# KiCad board FC_V5d_Production.kicad_pcb (continued)
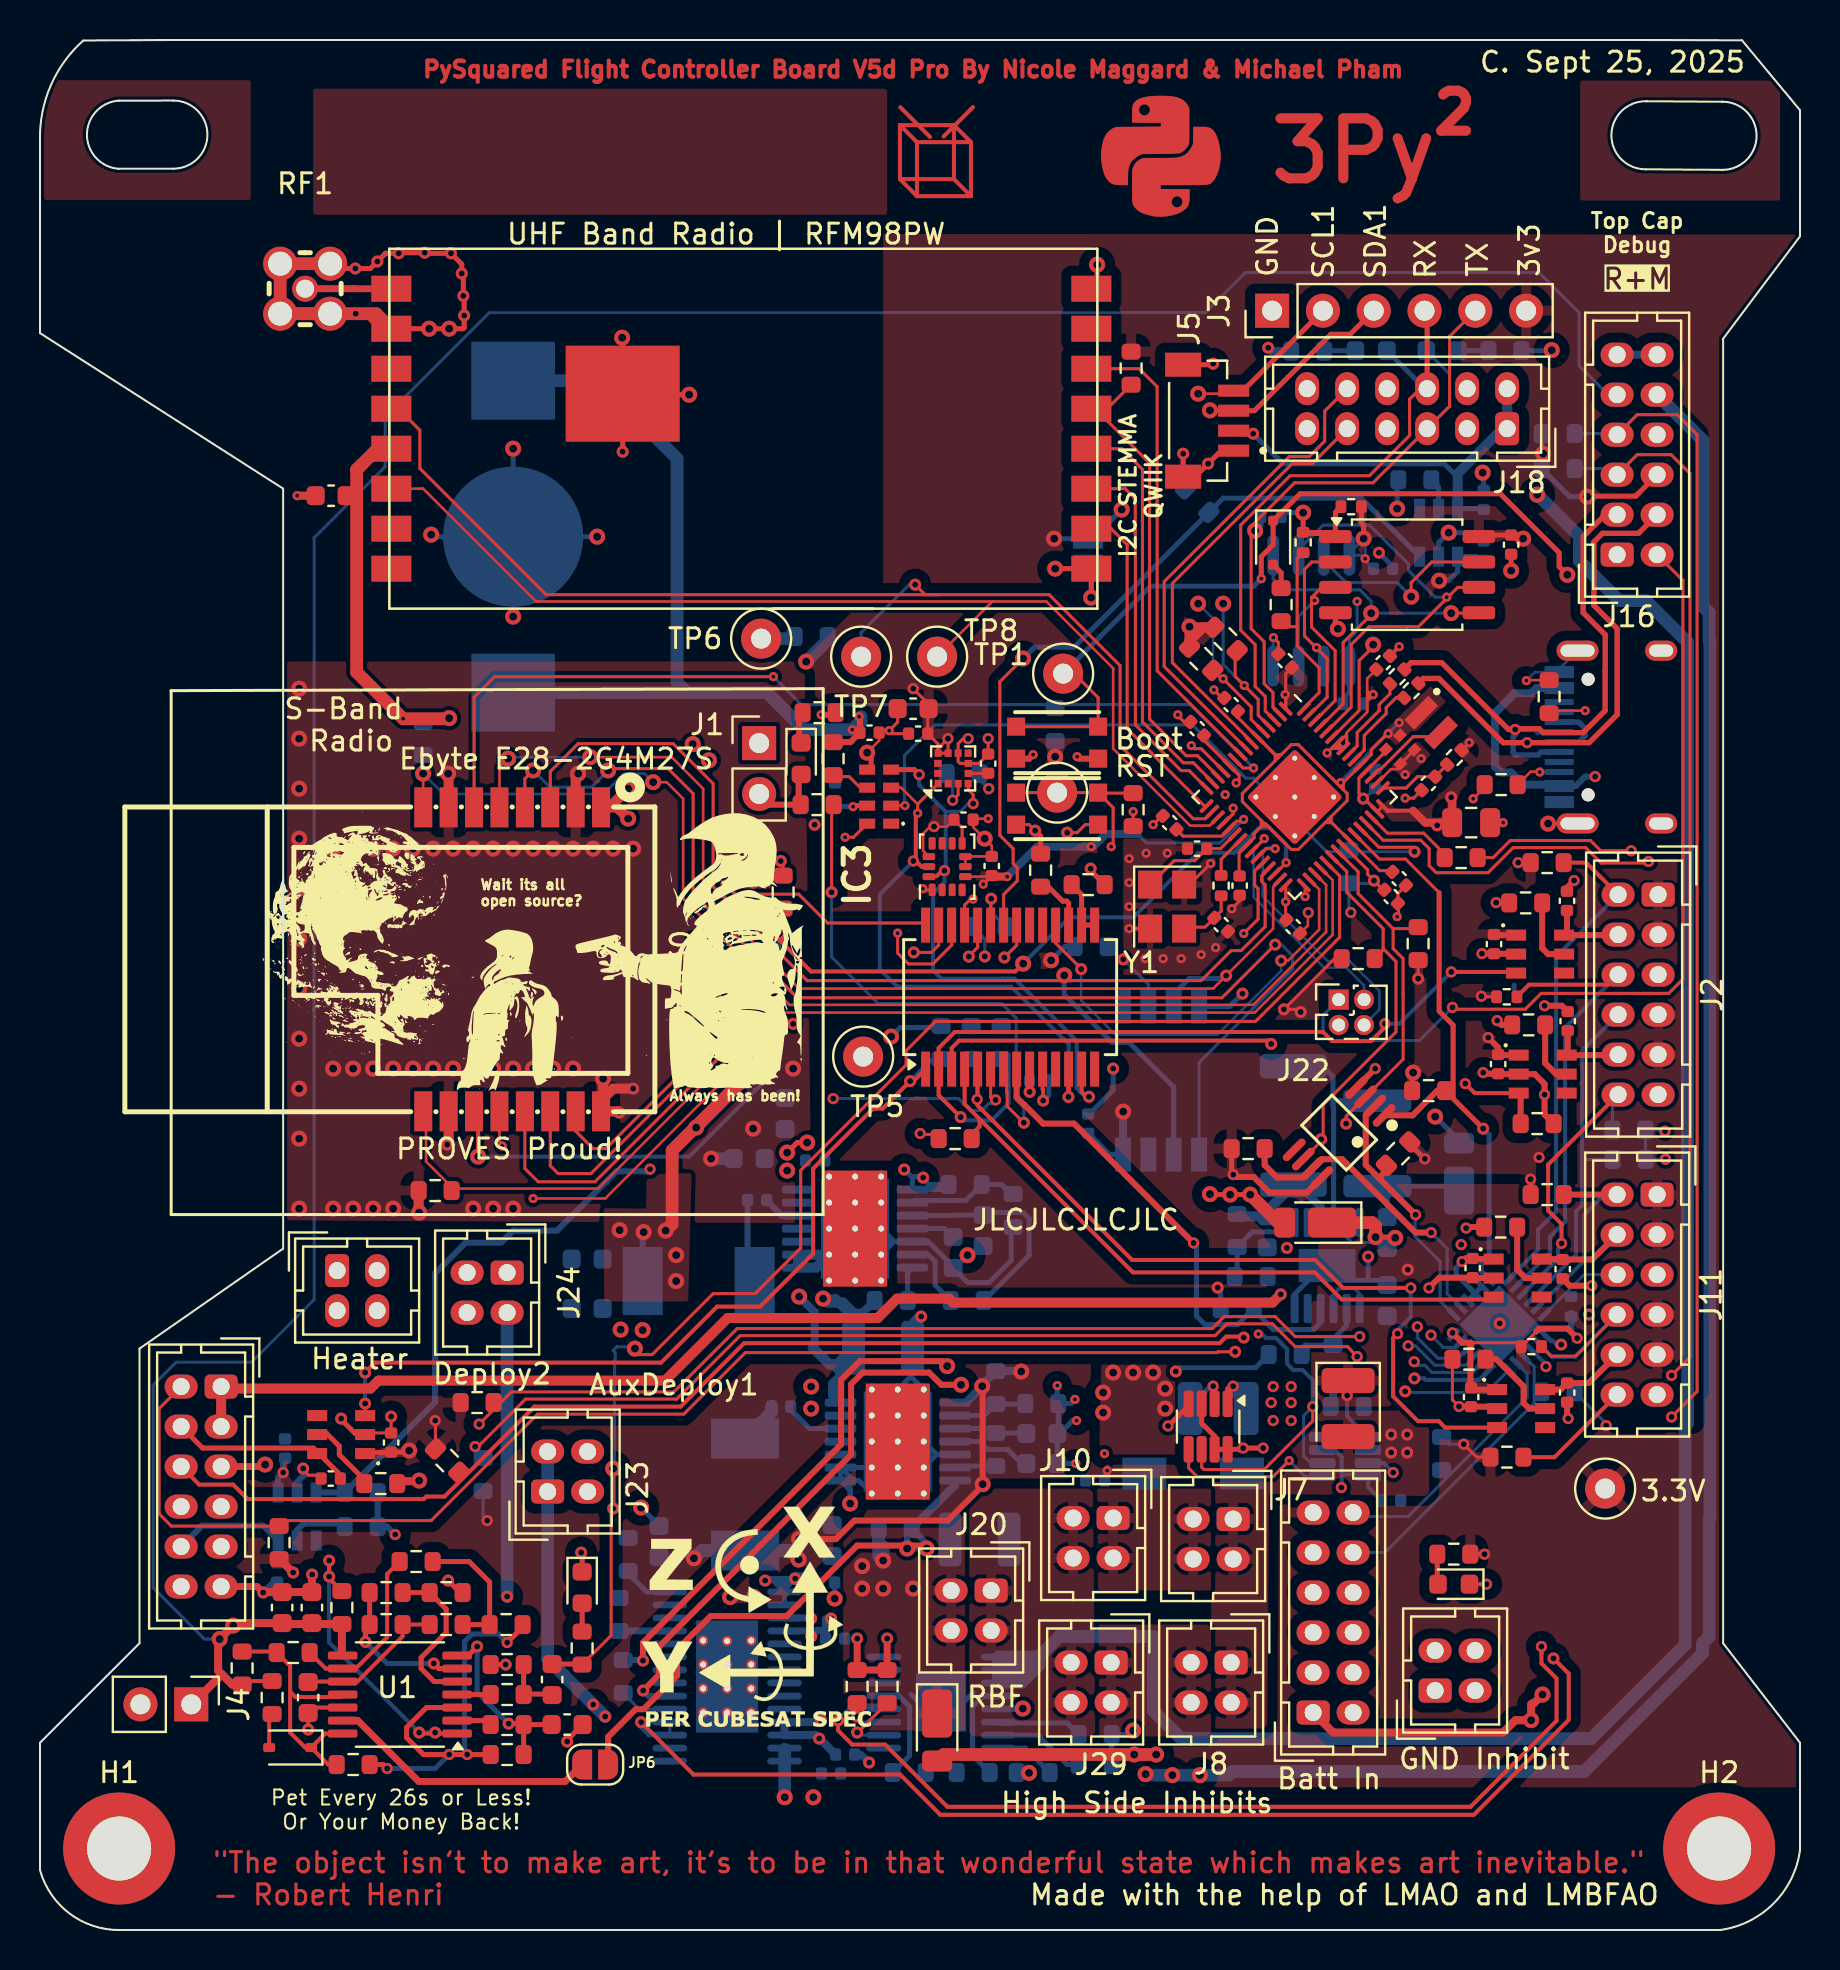
[diagram p0: board, top side]
## Routing (per net, layer and track width the routed paths; a pad name or vN(x,y) marks a point on that pad's centre or on a via; arc(x,y) is an arc through that point) (continued)
/Power Systems/3v3SW: length 2.1
  Bottom w0.635: L4.2 36.58,25.89 C27.1
/Power Systems/5vSW: length 4.2
  Bottom w0.3: C5.2 35.38,32.8 L5.1
/Power Systems/VBATT_SENSE: length 12.9
  Top w0.25: v1(58.66,27.2) 58.73,27.12 U16.2 ; v2(60.51,36.77) v2(59.51,36.77) 58.52,36.77 v2(58.5,36.8)
  Top w0.635: v2(60.51,36.77) 61.91,35.37 D12.2
  Bottom w0.25: v1(58.66,27.2) 58.53,27.2 57.51,26.17 R109.2 ; 54.71,27.82 v2(54.66,27.87)
  Bottom w0.4: 62.92,37.27 64.03,36.16 IC6.9
  Bottom w0.5: R75.1 61.37,35.97 C42.1 59.97,35.68
  vias: v2(53.16,26.87) v2(53.16,25.87) v2(53.66,27.87) v2(55.66,27.87) v2(56.26,27.07) v2(56.26,26.07)
GND: length 281.4
  Top w0.127: 67.89,58.05 67.55,58.05 66.86,57.36 ; 46.28,53.68 C35.2 47.59,54.22 v2(47.23,54.57) 46.66,55.15 C32.2 46.71,55.57 v4(47.41,55.57) ; 72.23,57.14 v4(71.66,56.57) ; 69.16,58.57 v4(69.06,58.57) ; v2(41.36,58.87) 41.96,59.47 C26.2 42.06,59.97 v4(42.46,59.97) 42.54,60.05 ; C78.2 63.39,50.23 63.39,50.85 v1(63.41,50.87) ; U7.6 U7.7 ; R26.1 74.34,62.5 v4(74.32,62.48)
  Top w0.152: v4(68.26,56.6) 68.68,56.6 C68.2 ; v4(61.67,64.63) 61.92,64.38 C73.2 ; R49.1 70.62,26.51 v1(70.95,26.18) ; v1(46.41,59.57) 46.16,59.57 45.91,59.32 U15.8 45.91,58.43 46,58.34 U15.6 46.94,58.34 C31.2 v1(47.41,59.57) ; SW2.B' 49.46,55.27 v3(49.76,54.97) ; 67.93,51.27 67.93,50.74 v4(67.86,50.67) ; v3(13.16,23.07) 13.16,23.01 13.42,22.74 14.06,22.74 ; 44.93,39.78 44.05,39.78 v1(44.01,39.83) ; v3(17.56,25.67) C50.2 16.28,24.85 ; C67.2 67.9,51.83 C77.2 ; J12.S1 75.42,55.33 v2(75.41,55.32) ; 59.1,61.61 v4(58.7,62.01) ; v4(59.59,51.07) 59.98,51.46 C70.2 ; v3(51.36,54.87) 51.86,54.87 52.26,55.27 SW2.B ; 56.1,55.71 v4(55.66,55.27) ; C43.1 42.88,60.4 v4(42.46,59.97) 42.61,59.82 C34.2 ; C65.2 C66.2 ; Y1.2 v4(54.46,50.07) ; C72.2 57.2,60.41 56.89,60.72 v4(56.89,60.77) ; 57.73,52.35 57.73,52.54 v4(58.53,53.34)
  Top w0.2: v3(13.41,10.02) C24.1 ; v3(50.16,41.47) 50.16,42.02 50.13,42.05 U9.10 ; C74.2 v4(67.96,64.17) ; 13.68,11.12 U1.12 ; v1(72.33,17.29) D3.1
  Top w0.25: v3(52.53,53.07) 52.53,52.97 R24.1 ; 16.99,80.07 16.24,80.82 v3(15.79,80.82) RF1.4 ; v3(15.77,83.08) 16.52,83.08 v3(16.87,83.43) 17.28,83.84 v3(17.94,83.84) 17.97,83.87 v3(19.24,83.87) 19.27,83.84 v3(20.55,83.84) 21.09,83.3 v3(21.09,82.83) 21.17,82.75 v3(21.17,81.71) 21.21,81.67 v3(21.21,80.73) 21.21,80.12 21.16,80.07 v2(20.46,80.07) v2(19.46,80.07) 17.57,80.07 ; v3(15.77,83.08) 15.76,83.09 ; v3(15.77,83.08) 14.75,83.08 RF1.3 ; J5.1 59.06,73.97 v3(58.41,73.32) 57.76,72.67 J5.S1 v3(57.16,73.82) ; 21.01,16.87 v3(20.41,17.47) ; v2(64.89,65.07) 64.89,65.26 64.77,65.39 U11.4 ; v2(52.86,83.27) 52.86,82.36 ; C21.1 26.36,9.5 v3(26.36,9.42) ; 29.09,76.77 v2(32.46,76.77) ; R52.1 50.03,54.7 v3(49.76,54.97) ; v2(41.36,58.87) 41.56,58.67 41.56,58.02 ; C2.2 v2(73.56,67.97) ; 16.26,24.83 15.76,24.83 15.06,25.53 v3(15.06,25.57) ; 66.38,33.65 v3(66.41,33.67) ; R22.2 v3(23.28,13.27) ; v3(58.66,78.32) 58.61,78.27 J5.S2 ; v1(61.16,24.1) v1(60.16,24.1) 60.03,23.97 60.03,24.04 U16.7 58.73,24.69 58.08,25.34 U16.3 ; D6.1 27.11,18.82 v3(27.06,18.87) ; v2(29.11,79.62) 29.13,79.6 U4.17 v3(29.13,73.92)
  Top w0.3: R47.1 71.36,35.15 v1(71.31,35.1) ; U19.2 73.79,48.82 C38.2 72.69,48.82 v1(72.1,48.82) ; v1(72.16,42.87) 72.21,42.82 C47.2 72.93,42.8 U21.2 74.73,42.8 75.23,42.31 v1(75.23,41.77) 75.23,40.78 R68.1 ; v1(76.41,25.57) 76.36,25.62 C55.2 ; v1(66.76,43.07) 65.82,42.14 U14.4 ; v1(76.7,52.48) 76.35,52.12 C44.2 ; v1(72.81,51.37) 73.38,51.37 73.39,51.36 R46.1 ; 76.13,32.57 76.48,32.22 v1(77.59,32.22) ; v4(49.66,58.77) 49.46,58.57 SW1.B' ; U24.2 72.76,26.17 C53.2 71.55,26.18 v1(70.95,26.18) ; SW1.B 51.96,58.57 v4(51.86,58.67) ; v1(72.86,45.47) 73.07,45.26 R51.1 ; C48.2 76.1,46.22 v1(75.23,46.22) ; v4(39.06,60.77) 39.68,60.77 R12.2 ; U22.2 71.65,32.6 C49.2 69.96,32.62 v1(69.45,32.11)
  Top w0.342: v3(42.36,14.57) 42.36,13 40.86,13 v3(40.86,14.57) ; J17.11 10.86,17.17 v3(11.16,16.87) ; v2(11.26,23.27) 11.16,23.17 J17.5
  Top w0.4: v4(73.16,55.37) C75.2 ; 17.86,22.44 18.92,22.44 v2(18.96,22.47) ; v3(11.16,16.87) 11.18,16.9 C23.1 C22.1 13.59,17.76 v3(13.61,17.77) ; C14.1 v4(12.86,71.72)
  Top w0.5: v2(18.96,35.87) 18.93,35.9 R95.2 ; v2(26.91,57.82) 26.78,57.7 U30.2 ; v2(20.41,57.82) 20.43,57.8 U30.7 ; U30.10 20.43,39.35 v3(20.36,39.27) ; 28.05,41.47 28.66,42.07 v3(29.66,42.07) ; v3(28.96,40.87) 28.89,40.94 U30.16 ; v2(28.16,42.57) 28.16,41.04
  Top w0.635: U4.2 16.82,80.82 12.96,80.82 ; 12.96,80.82 RF1.1 RF1.2 RF1.3 ; 12.96,80.82 RF1.4
  In1.Cu w0.152: U18.61 59.38,56.66 v4(59.26,56.77)
  In1.Cu w0.4: U18.61 62.66,56.73 59.3,56.73 v4(59.26,56.77) ; U18.61 61.37,55.68 59.02,53.34 v4(58.53,53.34)
  Bottom w0.127: 75.96,63.06 J12.S1 ; J12.A1 74.75,62.9 v4(74.32,62.48)
  Bottom w0.152: 61.66,63.6 U5.4 61.66,64.62 v4(61.67,64.63)
  Bottom w0.2: v1(67.66,22.87) 67.18,23.35 66.39,23.35 ; 73.31,30.27 U12.9 75.27,28.32 75.27,28.2 v1(75.3,28.17)
  Bottom w0.25: BT1.3 19.66,69.67 v2(19.56,69.77) ; BT1.3 v2(27.86,69.67) ; BT1.3 v2(23.66,65.67) ; BT1.3 v2(23.66,74.07) ; v2(39.73,16.57) 39.74,16.58 C58.2 ; C15.1 30.96,20.22 v2(30.06,21.12) ; U10.5 44.84,23.77 ; 44.84,23.77 U10.15 ; 44.84,23.77 U10.15 ; U10.8 40.94,22.47 U10.15 ; U10.8 U10.9 ; U10.8 40.51,21.99 v2(40.51,21.33) 40.51,22.64 U10.9 ; v2(49.45,7.86) 49.43,7.87 R55.2 ; U10.9 U10.15 ; v3(44.06,30.67) 43.81,30.67 43.63,30.5 C19.2 ; v3(60.12,46.83) 59.47,46.17 U2.4 ; U13.5 41.41,34.42 ; U13.5 42.71,34.42 ; U13.5 44.41,34.42 45.66,33.17 ; 48.56,35.15 48.56,33.47 47.46,32.37 46.38,32.37 C9.1 ; U10.15 43.56,27.65 43.56,29.12 43.56,27.7 U10.15 ; C10.2 67.64,68.18 v3(66.95,68.87) ; IC6.6 62.73,31.8 64.16,33.22 ; v4(51.75,26.53) 51.54,26.32 R40.1 50.91,24.87 ; v2(54.66,9.97) 54.46,9.77 R85.1 R82.1 ; 42.71,34.42 U13.15 ; 42.71,34.42 U13.15 ; 53.24,23.8 v4(53.22,23.82) ; v4(50.86,27.22) 50.86,26.37 ; v2(72.13,72.87) 72.18,72.82 C80.2 ; C79.2 71.76,69.87 v2(70.43,69.87) 69.93,69.37 U29.2 ; v4(51.79,23.32) C36.2 C37.2 ; C39.2 50.44,41.74 50.17,41.47 v3(50.16,41.47) ; R79.1 57.27,72.96 57.16,73.07 v3(57.16,73.82) ; 73.71,47.07 73.71,47.25 ; R4.2 75.56,78.97 v2(75.58,79) ; v3(66.41,33.67) 66.41,32.53 66.36,32.48 ; v3(53.66,43.07) 53.66,41.99 52.47,40.8 C28.2 ; 70.96,39.47 v2(69.76,40.67) 69.9,40.82 ; v2(67.86,71.07) 67.86,72.46 ; 45.38,45.12 43.01,45.12 v2(42.56,44.67) ; IC6.13 65.1,32.48 66.36,32.48 ; v4(51.83,25.47) 51.63,25.47 50.98,24.82 ; 66.36,32.48 67.13,32.48 C40.2 ; R69.1 60.78,28.12 56.98,28.12 v3(56.79,27.93) ; 45.73,33.1 v2(46.37,33.74)
  Bottom w0.3: v3(11.16,16.87) 11.68,17.39 C60.2 ; v3(13.16,23.07) 13.18,23.05 13.18,22.73 12.86,22.4 U27.2 ; v1(17.76,19.77) 17.36,20.17 R86.1 R87.1
  Bottom w0.342: v3(41.46,8.37) 41.06,8.77 C56.2
  Bottom w0.4: v3(61.41,79.12) 61.58,78.95 R3.2 ; J16.11 J16.12
  Bottom w0.5: U13.15 38.81,33.12 U13.8 U13.9 U13.15
  Bottom w0.635: C3.2 v2(33.56,38.57)
  vias: v2(12.96,62.07) v2(12.96,59.57) v2(12.96,57.07) v2(12.96,54.57) v2(12.96,52.07) v2(12.96,49.57) v2(12.96,47.07) v2(12.96,44.57) v2(12.96,42.07) v2(12.96,39.57) v2(12.96,36.07) v2(14.66,54.07) v2(14.66,43.07) v2(14.66,36.07) v2(15.66,54.07) v2(15.66,43.07) v2(15.66,36.07) v2(16.66,54.07) v2(16.66,43.07) v2(16.66,36.07) v2(17.66,54.07) v2(17.66,43.07) v2(17.66,36.07) v2(18.66,54.07) v2(18.66,43.07) v2(19.66,54.07) v2(19.66,43.07) v2(20.66,54.07) v2(20.66,43.07) v2(21.66,54.07) v2(21.66,43.07) v2(21.66,36.07) v2(22.66,54.07) v2(22.66,43.07) v2(22.66,36.07) v2(23.66,54.07) v2(23.66,43.07) v2(23.66,36.07) v2(24.66,54.07) v2(24.66,43.07) v2(25.66,54.07) v2(25.66,43.07) v2(26.66,54.07) v2(26.66,43.07) v2(27.66,54.07) v2(28.66,54.07) v2(29.66,54.07) v2(35.66,40.07) v2(37.66,43.07) v3(35.66,54.97) v3(35.66,53.57) v3(35.66,52.37) v3(38.73,55.27) v3(72.99,30.33) v3(77.46,30.77) v4(54.46,53.57) v4(54.46,52.37) v4(54.46,51.17) v4(55.26,48.57) v4(55.31,53.84) v4(56.16,48.57) v4(56.36,53.85) v4(57.06,48.57) v4(58.06,48.77) v4(58.78,49.12) v4(68.26,57.77)
VBUS: length 98.3
  Top w0.635: D15.2 45.18,8.77 v2(55.81,8.77)
  In2.Cu w0.635: v2(54.71,8.77) v2(55.81,8.77) 73.06,8.77 73.64,9.36 73.64,13.87 75.44,15.67 75.46,15.67 82.54,22.75 82.54,56.47 81.34,57.67 v1(77.76,57.67)
  Bottom w0.3: J12.A9 76.79,57.2 77.26,57.67 v1(77.76,57.67)
  Bottom w0.4: J12.A4 74.84,62.1 74.58,61.85 73.73,61.85 72.76,60.87 72.76,58.17 73.05,57.88 73.55,57.88 74.16,57.27 75.89,57.27
VBUSP: length 103.6
  Top w0.25: v2(38.36,39.37) 37.86,39.37 v2(37.36,38.87) ; R30.1 v1(20.46,8.77) 19.17,8.77 18.33,9.62 18.33,10.13 19.32,11.12 U1.3 ; v1(23.36,14.37) 24.13,15.15 R16.1 ; R36.2 17.16,8.27 v1(17.36,8.07)
  In2.Cu w0.4: 37.96,31.67 38.05,31.57 v2(39.16,31.57)
  In2.Cu w0.5: 40.91,19.32 40.46,19.77 40.46,20.07 39.66,20.87 39.66,29.87 ; 40.91,19.32 40.96,19.27 40.96,18.87 41.11,18.72 v2(41.11,18.2) 41.68,18.77 41.86,18.77 v2(42.16,18.47) ; 40.91,19.32 40.96,19.37 ; 39.66,29.87 39.96,30.17 39.96,30.77 v2(39.16,31.57) ; 39.66,29.87 39.66,29.97 37.96,31.67 v2(37.96,31.67) 37.95,31.67 37.36,32.27 v2(37.36,38.87)
  In2.Cu w0.635: J20.4 42.76,12.17 42.76,8.52 41.8,7.56 36.08,7.56 35.96,7.67 22.46,7.67 v1(21.36,8.77)
  Bottom w0.25: 43.96,11.37 43.56,11.77 ; v1(23.36,14.37) 22.93,14.8 21.6,14.8 21.23,14.43 21.23,8.9 v1(21.36,8.77) v1(20.46,8.77) 19.76,8.07 v1(17.36,8.07) ; 46.16,11.37 46.66,11.87
  Bottom w0.4: v2(39.16,31.57) 39.76,31.57 40.46,30.87 41.13,30.87 R125.1 ; v2(37.96,31.67) 38.74,30.89 38.74,29.23
  Bottom w0.5: 40.03,27.68 39.66,27.31 39.66,26.74 U10.14 ; 40.03,27.68 40.03,27.92 39.66,28.29 ; 40.03,27.68 40.66,28.31 40.66,30.67 39.76,31.57 ; 38.63,29.12 39.47,28.29 39.66,28.29 ; 39.66,28.29 39.85,28.29 C19.1 40.68,30.85 40.16,31.37 39.36,31.37 v2(39.16,31.57)
  Bottom w0.635: v2(42.16,18.47) 42.16,19.15 41.93,19.37 ; 41.93,19.37 R124.1 ; 41.93,19.37 41.93,18.7
  vias: v2(37.36,37.97) v2(38.56,27.17) v2(38.56,26.07) v2(41.11,17.07) v2(42.16,17.07) v2(43.66,17.07)
/Power Systems/Load Switches/Deploy1_EN: length 112.2
  Top w0.152: R104.1 72.66,53.62 73.51,54.48 77.52,54.48 78.03,53.97 v1(79.56,53.97)
  Top w0.2: v3(30.06,10.39) 32.68,7.77 43.01,7.77 45.02,5.76 71.69,5.76 76.44,10.5 76.44,12.82 v3(75.67,13.58)
  In1.Cu w0.152: v1(79.56,53.97) 79.89,53.97 79.91,53.99 82.14,53.99 82.75,53.38 82.75,21.17 75.67,14.09 v3(75.67,13.58)
  In2.Cu w0.152: v3(75.67,13.58) 75.81,13.71
  Bottom w0.152: U6.4 U6.3
  Bottom w0.2: 31.48,10.39 v3(30.06,10.39) 30.06,10.12 30.44,9.74 U6.3
/Power Systems/Load Switches/Deploy2_EN: length 52.9
  Top w0.3: v3(30.16,11.97) 30.96,12.77 30.96,14.17 40.56,23.77 40.56,27.3 41.14,27.87 44.46,27.87 45.07,27.26 v2(46.05,27.26)
  In2.Cu w0.152: v3(47.24,48.68) 47.24,48.69 46.68,49.25 46.2,49.25 45.1,48.15 45.1,38.83 45.51,38.42 45.51,33.37 46.05,32.83 v2(46.05,27.26)
  Bottom w0.152: v3(47.24,48.68) 47.24,49.57 R103.1
  Bottom w0.3: U6.6 30.44,11.69 v3(30.16,11.97)
/Power Systems/Load Switches/Heater_EN: length 2.7
  Bottom w0.152: R100.1 29.96,11.04 U6.5
/Power Systems/Load Switches/ILIM1: length 5.2
  Bottom w0.25: U25.5 42.94,11.7 43.48,11.17 43.48,8.72 R84.2
/Power Systems/Load Switches/ILIM2: length 5.2
  Bottom w0.25: R83.2 46.63,8.72 46.63,11.17 47.17,11.7 U25.12
/Power Systems/V_SYS: length 3.1
  Top w0.4: 67.63,24.7 v3(67.56,24.77)
  Bottom w0.152: IC6.1 65.98,31.82 65.72,32.07 64.96,32.07 64.68,31.8 IC6.3
  vias: v3(67.56,23.87) v3(68.36,24.77) v3(68.36,23.87)
/RF1_ANT: length 4.3
  Top w0.342: U4.1 15.66,82.07 15.66,82.07 RF1.5
/RP2350AHHHHHHHHH/FLASH_SS: length 5.4
  Top w0.25: U11.1 64.77,70.9 R2.2 ; R91.2 v2(63.16,70.87)
  Top w0.3: 64.96,69.86 63.28,69.86
  Bottom w0.25: v2(63.16,70.87) 62.27,70.87 R9.2
/RP2350AHHHHHHHHH/PSRAM_CS: length 19.2
  Top w0.152: U18.12 58.06,59.07 57.72,59.07 v4(57.56,59.23)
  In2.Cu w0.152: v4(57.56,59.23) 58.21,59.23 63.68,64.69 63.68,65.25 64.86,66.44 v4(65.86,66.44)
  Bottom w0.152: v4(65.86,66.44) 65.86,64.97 65.46,64.57 65.47,64.56 U5.1
  Bottom w0.25: U5.1 65.47,61.88 65.15,61.56 R37.2
/RP2350AHHHHHHHHH/QSPI_SCLK: length 22.3
  Top w0.152: U11.6 70.89,67.14 68.92,65.17 66.46,65.17 65.56,64.27 65.56,61.15 64.31,59.9
  Bottom w0.152: U5.6 62.93,69.02 64.16,70.25 66.48,70.25 68.43,68.3 68.43,67.98 69.75,66.65 v4(70.34,66.65)
/RP2350AHHHHHHHHH/QSPI_SD0: length 19.2
  Top w0.152: 64.03,60.19 65.16,61.31 65.16,64.37 66.56,65.77 v2(66.56,65.85) ; v2(70.56,65.85) 71.93,65.85
  Bottom w0.152: v2(70.56,65.85) v2(66.56,65.85) 66.56,66.45 65.99,67.02 62.21,67.02 61.66,67.57 U5.5
/RP2350AHHHHHHHHH/QSPI_SD1: length 10.9
  Top w0.152: 63.46,60.75 64.36,61.65 64.36,63.57 63.22,64.71 63.22,68.04 63.59,68.41 U11.2
  Bottom w0.152: v4(63.83,64.13) 64.19,63.77 U5.2
/RP2350AHHHHHHHHH/QSPI_SD2: length 11.6
  Top w0.152: 63.59,66.64 63.59,66.62 v4(63.73,66.48) ; 63.59,66.64 64.09,67.14 ; 63.59,66.64 63.58,66.63 63.58,65.15 64.76,63.97 64.76,61.48 63.74,60.47
  Bottom w0.152: U5.3 62.93,65.68 v4(63.73,66.48)
/RP2350AHHHHHHHHH/QSPI_SD3: length 18.6
  Top w0.152: U11.7 69.59,68.41 68.56,67.37 v2(68.56,66.67) ; v2(66.66,64.27) 66.43,64.05 66.43,63.95 65.96,63.47 65.96,60.98 64.59,59.62
  In2.Cu w0.152: v2(68.56,66.67) 68.56,66.17 v2(66.66,64.27)
  Bottom w0.152: v2(68.56,66.67) 67.86,67.37 65.3,67.37 64.19,68.49 U5.7
/RP2350AHHHHHHHHH/VREG_AVDD: length 3.7
  Top w0.152: U18.46 68.31,57.11 68.87,57.67 C68.1 R94.2
/RP2350AHHHHHHHHH/VREG_LX: length 4.1
  Top w0.152: 69.85,59.67 68.66,59.67 67.01,58.03 66.94,58.03 U18.48
/RP2350AHHHHHHHHH/XIN: length 5
  Top w0.152: U18.21 59.03,54.07 C63.1 57.74,53.47 56.71,53.47 56.03,52.8 56.03,52.35
/RP2350AHHHHHHHHH/XOUT: length 2.2
  Top w0.152: U18.22 59.06,53.54 R93.1
/Watchdog Circuit/WDT-VP: length 8.1
  Top w0.25: U1.5 19.71,12.42 19.06,13.07 19.06,13.62 20.31,14.87 20.31,16.05 19.48,16.87 R19.2
BATT_SCL: length 13.2
  Bottom w0.152: U12.11 74.36,27.81 74.36,26.62 68.41,20.67 65.86,20.67 J14.12
BATT_SDA: length 14.7
  Bottom w0.152: U12.10 74.71,28.17 74.71,26.35 67.24,18.87 J14.10
BOOTSEL: length 9.2
  Top w0.152: 62.86,65.17 62.86,68.57 R91.1 ; 62.86,65.17 62.33,65.17 ; 62.86,65.17 62.86,64.22 63.96,63.12 63.96,61.87 63.19,61.11 U18.60
DEPLOY1: length 118.4
  In2.Cu w0.635: v2(37.24,6.64) v2(38.67,6.64) 54.12,6.64 v2(55.28,7.79) 56.67,7.79 v2(56.62,7.74) v2(58,7.74)
  Bottom w0.635: 55.23,7.74 v2(56.62,7.74) v2(58,7.74) 59.43,7.74 59.61,7.92 77.21,7.92 83.14,13.86 83.14,14.14 83.12,14.16 83.14,14.17 83.14,14.36 83.46,14.67 83.46,20.56 83.49,20.59 83.49,64.46 83.46,64.5 83.46,65.87 83.14,66.19 83.14,74.49 J16.10 ; 37.23,9.03 37.24,9.03 37.24,8.45 U6.28 37.23,6.65 v2(37.24,6.64)
DEPLOY1_AUX: length 33.1
  In2.Cu w0.4: v3(38.96,9.57) 38.96,10.37 v3(39.06,10.47)
  In2.Cu w0.635: v3(27.66,11.27) 29.36,9.57 v3(38.96,9.57)
  Bottom w0.4: 38.76,9.77 v3(38.96,9.57) ; v3(38.96,9.57) 38.79,9.74 U6.26 U6.25 38.74,10.39 38.82,10.47 v3(39.06,10.47) ; v3(38.96,9.57) 38.98,9.57 C56.1
  Bottom w0.635: v3(28.26,10.67) v3(27.66,11.27) 25.38,13.55 J23.3
DEPLOY2: length 39.8
  In2.Cu w0.342: v3(39.56,15.57) v3(38.56,15.57) v3(38.56,14.67)
  In2.Cu w0.635: J24.1 J24.3 ; v3(23.36,16.67) 24.36,15.67 39.46,15.67 v3(39.56,15.57)
  Bottom w0.342: C57.1 39.28,14.97 ; 39.28,14.97 39.28,15.55 39.3,15.57 v3(39.56,15.57) ; 39.28,14.97 38.86,14.97 v3(38.56,14.67) 38.56,14.93 38.54,14.95 U6.18 ; v3(38.56,15.57) 38.53,15.6 U6.17
  Bottom w0.635: v3(23.36,16.67) J24.3
Dir_Chrg_In: length 85.8
  Top w0.25: v1(59.66,27.2) 59.54,27.2 59.38,27.04 U16.1
  Top w0.4: 63.56,18.77 J14.9 ; J14.1 64.66,9.87 73.15,9.87 73.77,10.49 v2(74.56,10.49) 74.56,11.28 74.61,11.33 74.68,11.33 v2(75.13,11.77)
  In2.Cu w0.4: J16.8 82.16,74.77 83.26,73.68 83.26,20.17 75.13,12.04 v2(75.13,11.77) 74.56,11.2 v2(74.56,10.49)
  Bottom w0.25: R109.1 60.31,26.17 59.41,27.07 59.41,27.08 59.54,27.08 v1(59.66,27.2) ; v1(61.56,26.37) 61.53,26.4 ; v1(61.66,25.47) 61.66,25.57
  vias: v1(61.66,27.17) v1(62.56,27.17) v1(62.56,26.37) v1(62.56,25.47)
ENABLE_Heater: length 51.7
  Top w0.152: 48.83,50.25 48.83,49.24 v3(48.22,48.63)
  Top w0.3: v2(45.36,28.2) 45.11,28.45 41,28.45 40.06,27.5 40.06,24.28 30.15,14.37 v3(30.15,13.47)
  In2.Cu w0.152: v2(45.36,28.2) 45.36,32.77 44.98,33.15 44.98,38.45 44.71,38.72 44.71,48.42 45.89,49.6 47.25,49.6 v3(48.22,48.63)
  Bottom w0.3: v3(30.15,13.47) 30.12,13.5 29.16,13.5
F0_PWR: length 4
  Top w0.3: J2.4 78.88,49.75 U19.6 76.35,49.89 C44.1
F0_SCL: length 23.2
  Top w0.2: R44.1 74.46,47.27 78.41,47.27 J2.6
  Bottom w0.2: U12.2 75.51,33.88 75.51,33.97 75.5,33.98 75.5,34.66 76.26,35.42 76.26,45.12 J2.6
F0_SDA: length 24.8
  Top w0.2: J2.2 77.31,53.37 R62.1
  Bottom w0.2: 73.45,32.57 74.91,34.02 74.91,35.02 75.81,35.92 75.81,48.67 J2.2
F1_PWR: length 3.8
  Top w0.3: C48.1 76.38,43.8 U21.6 78.88,43.75 J2.10
F1_SCL: length 17.7
  Bottom w0.152: R45.1 77.24,38.53 77.11,38.4
  Bottom w0.2: U12.4 76.81,33.77 76.81,35.94 77.11,36.24 77.11,43.97 J2.8
F1_SDA: length 14.9
  Top w0.2: v1(76.08,34.33) 76.08,35.3 75.41,35.97 75.41,38.27 J2.12
  Bottom w0.152: R61.1 78.62,41.49 J2.12
  Bottom w0.2: U12.3 75.91,33.58 75.91,34.05 76.08,34.22 v1(76.08,34.33)
  Bottom w0.25: 78.48,42.07 78.48,41.57
F2_PWR: length 4.3
  Top w0.3: J11.4 77.61,33.53 C51.1 76.11,33.55 U22.6
F2_SCL: length 4.5
  Top w0.152: 78.86,32.7 J11.6
  Bottom w0.152: U12.6 75.22,30.79 77.21,32.77 J11.6
F2_SDA: length 10.4
  Top w0.3: R60.1 J11.2
  In2.Cu w0.152: 78.17,36.93 78.16,36.94
  Bottom w0.2: U12.5 77.21,33.46 77.21,35.77 78.21,36.77 J11.2
F3_PWR: length 4.3
  Top w0.3: U24.6 76.03,27.02 C55.1 77.44,27.35 J11.10
F3_SCL: length 10
  Top w0.152: J11.8 76.78,28.69 75.56,28.69 R56.1
  Bottom w0.2: J11.8 76.75,28.67 75.59,28.67 74.87,29.39 U12.8 74.89,29.42
F3_SDA: length 11.9
  Top w0.2: 78.34,26.77 J11.12 75.73,23.64 R59.1
  In1.Cu w0.2: v3(76.06,29.27) 76.06,29.27 76.36,29.27 J11.12
  In2.Cu w0.2: 78.34,26.77 J11.12
  Bottom w0.2: v3(76.06,29.27) 75.84,29.27 75.65,29.46 75.54,29.46 U12.7
F4_PWR: length 9
  Top w0.25: 15.02,22.75 13.67,24.1 8.13,24.1 J17.4
F4_SCL: length 70.7
  Top w0.2: v3(60.19,29.63) 60.14,29.67 59.31,29.67 58.98,29.34 35.21,29.34 32.04,26.17 24.72,26.17 20.22,21.67 19.32,21.67 19.19,21.55 10.38,21.55 9.66,22.27 7.96,22.27 J17.6
  In2.Cu w0.2: v3(60.19,29.63) 60.54,29.27 63.96,29.27 65.16,28.07 68.23,28.07 v3(68.72,27.59)
  Bottom w0.2: 69.19,27.59 69.27,27.51 71.96,27.51 U12.13 ; 69.19,27.59 v3(68.72,27.59) ; 69.19,27.59 69.28,27.5
F4_SDA: length 79.5
  Top w0.152: v3(59.76,28.91) 58.9,28.91 58.86,28.87 35.27,28.87 32.19,25.8 24.88,25.8 19.56,20.47 12.23,20.47 R58.1 6.57,20.2 5.95,20.81 5.95,26.07 J17.2
  In2.Cu w0.152: v3(59.76,28.91) 59.98,28.69 63.9,28.69 65,27.59 67.57,27.59 68.06,27.1 68.09,27.1 v3(68.26,26.93)
  Bottom w0.152: v3(68.26,26.93) 68.44,26.93 68.5,26.87 72.32,26.87 U12.12
F5_PWR: length 6.7
  Bottom w0.3: J17.10 8.11,20.22 11.16,20.22 U27.6 11.91,18.4 C60.1
F5_SCL: length 75.3
  Top w0.152: v1(65.98,29.67) 62.76,29.67 61.76,30.67 59.21,30.67 58.61,30.08 34.86,30.08 31.69,26.91 23.57,26.91 v1(21.96,25.3)
  In2.Cu w0.152: J17.12 7.93,16.3 17.38,16.3 22.31,21.23 22.31,24.94 v1(21.96,25.3) ; v1(65.98,29.67) 66.17,29.49 66.17,29.41 66.53,29.05 68.25,29.05 v1(68.41,29.21)
  Bottom w0.152: v1(68.41,29.21) 68.77,29.21 69.74,28.24 71.28,28.24 U12.15
F5_SDA: length 79.4
  Top w0.152: v1(65.86,28.67) 65.57,28.96 65.57,28.98 65.37,29.17 62.76,29.17 61.62,30.31 59.35,30.31 58.76,29.72 35,29.72 31.83,26.55 24.28,26.55 21.9,24.17 v1(21.76,24.17)
  In2.Cu w0.152: v1(21.76,24.17) 21.76,21.17 17.36,16.77 12.56,16.77 11.16,18.17 6.36,18.17 5.76,18.77 5.76,19.87 J17.8 ; v1(68.71,28.42) 68.47,28.65 65.93,28.65 65.91,28.67 v1(65.86,28.67)
  Bottom w0.152: R73.1 22.16,23.77 v1(21.76,24.17) ; U12.14 71.63,27.89 69.59,27.89 69.24,28.24 68.89,28.24 v1(68.71,28.42)
FACE0_ENABLE: length 40.2
  Top w0.2: 73.63,47.85 73.81,47.85 73.75,47.91 v1(70.56,47.91) ; v3(46.03,40.65) 46.03,40.65 44.93,41.75 U9.2 44.93,44.1 45.73,44.9 60.66,44.9 60.66,44.91 64.14,44.91 64.6,44.45 66.56,44.45 67.25,45.14 v1(67.25,45.32)
  Bottom w0.2: v1(70.56,47.91) 67.97,45.32 v1(67.25,45.32) ; R67.2 48.43,43.17 48.43,41.35 48.44,41.35 47.58,40.48 46.2,40.48 v3(46.03,40.65)
FACE1_ENABLE: length 32.2
  Top w0.2: 73.93,41.85 71.74,41.85 v1(71.26,42.32) ; U9.3 45.58,44.1 45.95,44.47 61.39,44.47 v3(61.56,44.31)
  Top w0.3: R68.2 74.03,41.75 73.93,41.85
  In2.Cu w0.2: v3(61.56,44.31) 61.59,44.31 62.22,43.67 69.91,43.67 v1(71.26,42.32)
FACE2_ENABLE: length 33.2
  Top w0.2: 46.98,40.55 46.23,41.3 U9.4 ; 46.98,40.55 46.98,40.18 46.58,39.78 ; 46.98,40.55 54.65,32.88 63.74,32.88 65.09,31.53 72.56,31.53 U22.3
FACE3_ENABLE: length 40.9
  Top w0.2: U24.3 70.26,25.12 69.94,25.44 68.9,25.44 67.66,26.69 67.66,29.6 v1(67.88,29.82) ; U9.5 46.88,41.23 54.6,33.51 63.75,33.51 65.15,32.11 v1(68.54,32.11)
  Bottom w0.2: v1(46.86,41.53) 46.86,41.62 46.88,41.65 46.86,41.67 46.86,43.5 ; v1(67.88,29.82) 67.88,30 68.54,30.65 v1(68.54,32.11)
FACE4_ENABLE: length 41.2
  Top w0.152: v3(16.26,26.32) 16.26,25.78
  Top w0.2: U9.1 43.68,42.45 v3(43.51,42.45) 42.13,41.07 41.65,41.07 38.66,38.08 38.66,33.82 36.01,31.17 33.86,31.17 31.06,28.37 16.76,28.37 v3(16.26,27.87)
  Bottom w0.2: 45.38,43.47 44.53,43.47 v3(43.51,42.45) ; v3(16.26,27.87) v3(16.26,26.32)
FACE5_ENABLE: length 48.8
  Top w0.152: U9.6 47.53,41.63 47.6,41.56 47.73,41.56 v1(47.78,41.51)
  In2.Cu w0.3: v1(39.66,41.57) 39.41,41.32 32.51,41.32 30.5,39.32 v1(30.5,38.05)
  Bottom w0.152: v1(47.78,41.51) 47.6,41.33 47.44,41.33 47.09,40.98 46.52,40.98 45.92,41.57 v1(39.66,41.57)
  Bottom w0.3: v1(30.5,38.05) 30.39,37.93 28.82,37.93 25.86,34.97 23.66,34.97 23.06,34.37 21.29,34.37 19.76,32.84 19.76,26.4 R87.2 U27.3
FC_RESET: length 71.5
  Top w0.152: J16.2 82.15,67.48 82.15,47.55 81.43,46.83 75.06,46.83 74.27,46.04 70.72,46.04 v1(70.62,46.14) ; U18.26 60.73,52.95 60.73,52.25 60.9,52.07 60.9,50.55 v4(60.19,49.83) ; v4(53.56,54.17) 53.66,54.27 53.66,56.12 SW2.A SW2.A' ; R1.2 52.93,56.85
  In2.Cu w0.152: v4(53.56,54.17) 53.56,53.67 54.21,53.02 54.55,53.02 57.4,50.17 59.85,50.17 v4(60.19,49.83) 60.26,49.76 60.26,48.87 62.61,46.52 J22.1
  Bottom w0.152: v1(70.62,46.14) 68.96,44.48 64.61,44.48 64.15,44.93 64.15,45.75 J22.1
FIRE_DEPLOY1_A: length 107.1
  Top w0.152: U18.42 67.16,54.5 69.03,54.5 69.46,54.07 69.46,53.22 69.81,52.87 72.4,52.87 73.66,54.13 77.28,54.13 78.06,53.35 80.35,53.35 v1(80.42,53.43)
  Top w0.2: v1(75.07,14.17) 75.07,13.83 75.07,13.33 75.83,12.58 75.83,10.46 71.53,6.16 45.37,6.16 42.26,9.27 40.61,9.27 39.91,9.97 v3(39.91,10.47)
  In1.Cu w0.2: v1(80.42,53.43) 80.45,53.4 82.1,53.4 82.37,53.13 82.37,21.49 75.07,14.19 v1(75.07,14.17)
  Bottom w0.152: v3(39.91,10.47) 39.91,10.54 40.62,11.25 41.99,11.25 U25.4
FIRE_DEPLOY1_B: length 4.6
  Top w0.152: U18.43 67.37,54.85 69.18,54.85 70.23,53.8 R104.2
FIRE_DEPLOY2_B: length 3
  Top w0.152: U9.23 47.53,51.55 v3(47.56,51.57)
  Bottom w0.152: R103.2 47.56,50.9 v3(47.56,51.57)
Heater Output: length 36.4
  In2.Cu w0.635: v3(37.76,17.57) 36.36,17.57 v3(36.26,17.47) 36.26,18.05 25.03,29.27 20.86,29.27 17.16,32.97 15.16,32.97
  Bottom w0.25: U6.15 37.23,17.04 37.44,17.26 ; U6.15 U6.16 ; U6.15 36.88,17.25 ; v3(37.76,17.57) 36.36,17.57 v3(36.26,17.47) 36.66,17.47 36.77,17.36 ; v3(37.76,17.57) 37.54,17.36 36.77,17.36 ; v3(37.76,17.57) 37.44,17.26 ; 37.44,17.26 37.43,17.25 36.88,17.25 ; 36.77,17.36 36.88,17.25
  Bottom w0.635: v3(37.76,17.57) 38.58,17.57 C58.1
PAYLOAD_BATT: length 121
  In2.Cu w0.635: v2(74.86,71.77) 70.66,71.77 J18.7 J18.8
  Bottom w0.635: 47.93,12.39 U25.9 49.94,13.65 ; 49.94,13.25 48.18,13.25 U25.10 48.06,12.87 49.56,12.87 49.66,12.97 ; 49.94,13.25 49.94,13.65 ; 49.94,13.25 49.66,12.97 ; 49.66,12.97 49.08,12.39 48.16,12.39 ; v2(74.86,71.77) 74.88,71.77 76.98,69.68 76.98,68.46 78.96,66.47 80.3,66.47 82.38,64.4 82.38,54.91 82.38,54.91 82.38,25.32 82.26,25.2 82.26,14.27 77.56,9.57 57.06,9.57 55.66,10.97 55.66,14.67 50.96,14.67 49.94,13.65
PAYLOAD_BATT_ENABLE: length 42.5
  Top w0.152: U9.24 46.88,49.14 46.44,48.7 46.44,48.67
  In2.Cu w0.152: v2(49.14,11.07) 49.14,26.89 49.14,26.89 47.96,28.07 47.96,36.59 45.46,39.09 45.46,47.69 v3(46.44,48.67)
  Bottom w0.25: U25.13 49.12,11.05 v2(49.14,11.07)
PAYLOAD_PWR: length 22.9
  Top w0.25: J5.2 59.83,74.82 v3(60.66,74.82)
  Bottom w0.25: 72.03,71.07 U29.6 70.88,72.65 70.21,73.32 62.16,73.32 v3(60.66,74.82)
  Bottom w0.5: 73.36,76.07 J18.1 ; 73.36,76.07 73.36,75.3 70.88,72.83 U29.6 ; 73.36,76.07 J18.2
PAYLOAD_PWR_ENABLE: length 38.8
  Top w0.152: U9.22 48.18,51.78 48.86,52.46 48.86,53.12 48.66,53.32 48.66,54.07 47.99,54.74 47.99,62.42 v2(49.15,63.58)
  Bottom w0.25: U29.3 66.06,71.6 59.16,71.6 51.71,64.15 49.72,64.15 v2(49.15,63.58)
READONLY: length 27
  Top w0.152: 39.58,56.67 v3(39.58,51.89) ; v3(49.19,40.37) 49.18,40.37 48.36,41.2 48.36,41.9 48.33,41.9 48.33,42.9 U9.7
  Bottom w0.152: v3(39.58,51.89) 39.58,48.65 41.91,46.32 48.09,46.32 48.81,45.6 48.81,41.51 49.19,41.13 v3(49.19,40.37)
RF1_IO0: length 54.8
  Top w0.127: 47.66,66.43 47.62,66.43 TP8.1 ; 47.66,66.43 24.8,66.43 19.16,72.07 18.99,72.07 18.99,72.07 U4.6 ; 47.66,66.43 50.32,66.43 53.66,63.09 53.66,59.07 57.5,55.23 58.48,55.23 U18.18